# KiCad board BioAmp-EXG-Panel.kicad_pcb (continued)
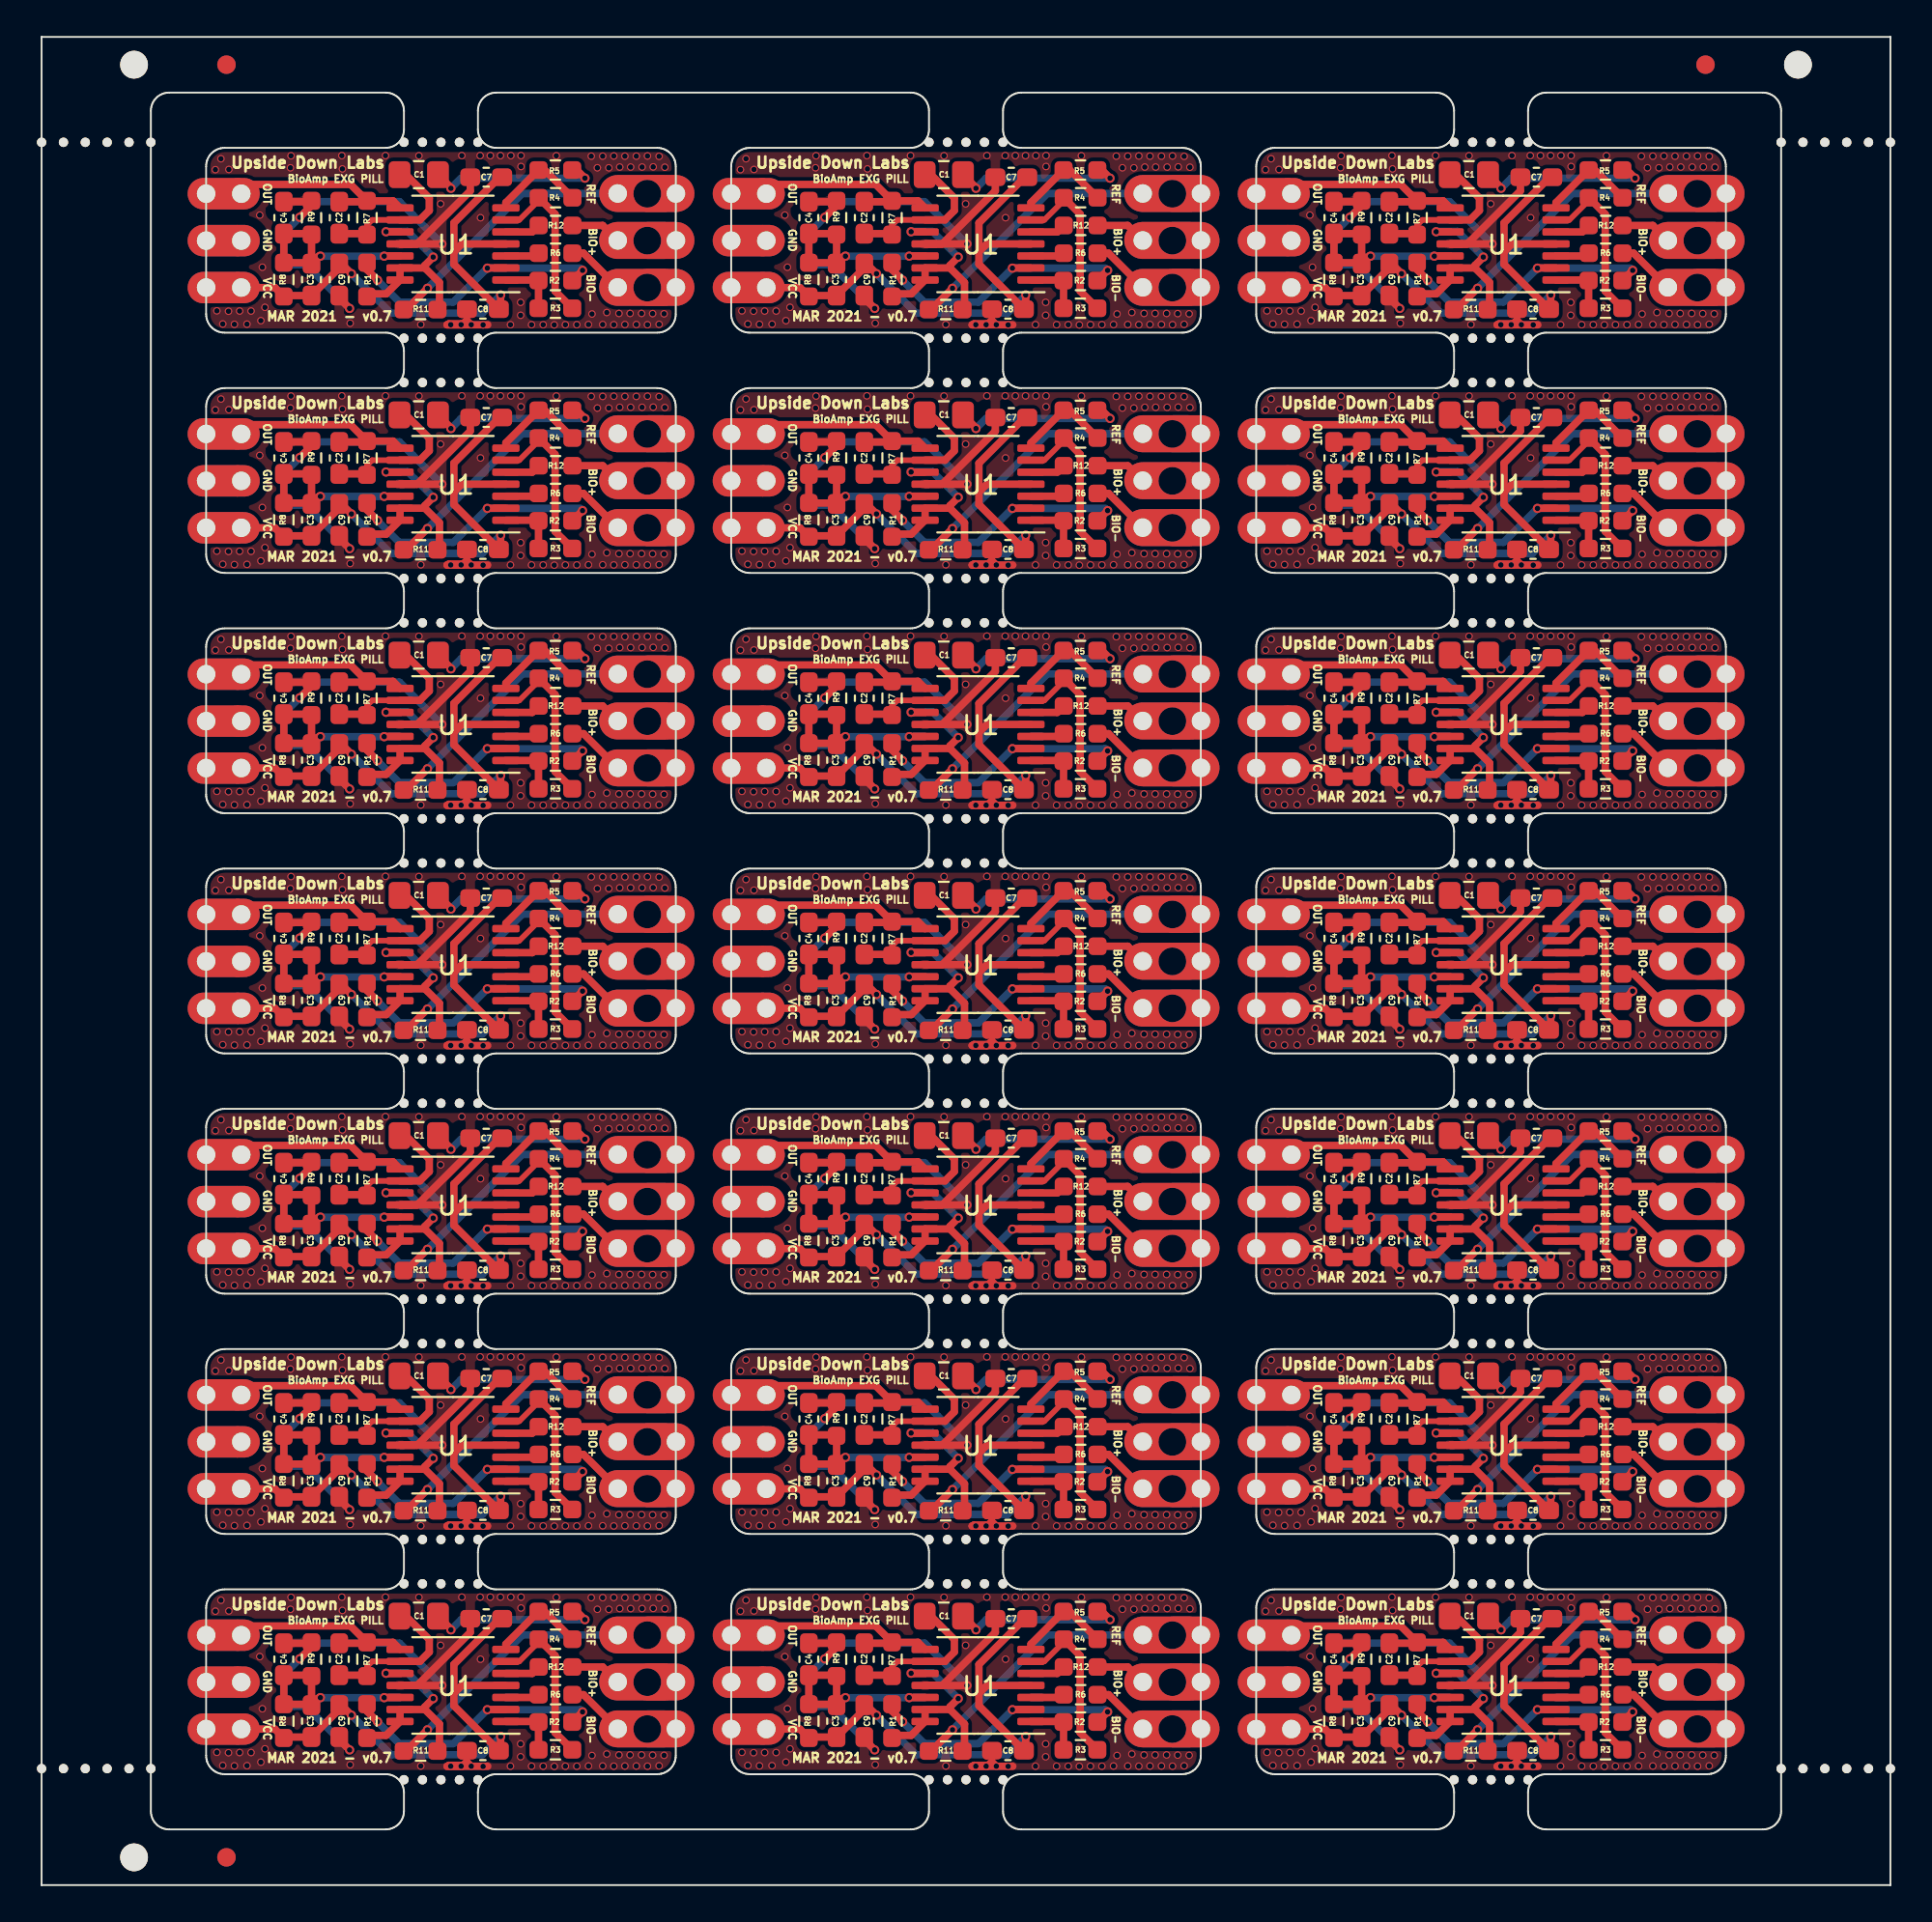
[diagram p0: board, top side]
## Routing (per net, layer and track width the routed paths; a pad name or vN(x,y) marks a point on that pad's centre or on a via; arc(x,y) is an arc through that point) (continued)
Board_7-vRef: length 11.4
  Top w0.4: C3#7.2 R9#7.2 14.55,63.36 C4#7.1 R8#7.1 14.55,61.78 C3#7.2 ; C3#7.2 14.71,61.73 ; C3#7.2 14.69,61.73 ; C3#7.2 15.01,62.14 v2(15.08,62.14) ; v2(18.53,62.14) 18.54,62.15 U1#7.12
  Bottom w0.4: v2(18.53,62.14) v2(15.08,62.14)
Board_8-ampRef: length 11.4
  Top w0.4: R1#8.2 46.14,60.1 47.04,60.1 U1#8.14 U1#8.13 49.13,61.5 ; R11#8.2 49.92,59.36 49.92,60.71 49.13,61.5 ; 49.13,61.5 49.13,61.64 v2(49.58,62.09) ; 47.03,63.48 47.06,63.45 U1#8.10
  Bottom w0.4: v2(49.58,62.09) 48.19,63.48 47.03,63.48
  vias: v2(47.03,63.46)
Board_8-BIO+: length 2.9
  Top w0.4: 57.2,63.8 R12#8.2 58.75,63.8 J1#16.2
  vias: v1(61.16,62.98)
Board_8-BIO-: length 5.3
  Top w0.4: 59.29,60.41 61.1,60.41 ; 57.4,62.3 R6#8.2 57.71,62.3 J1#16.3
  vias: v1(61.16,60.44)
Board_8-DRL: length 14.3
  Top w0.4: 47.99,59.34 R11#8.1 48.12,59.25 v2(49.27,60.4)
  Bottom w0.4: J1#16.1 54.4,65.53 v2(49.27,60.4)
  vias: v1(61.16,65.52)
Board_8-GND: length 35.9
  Top w0.3: 51.13,58.48 51.41,58.76 C8#8.1 51.41,58.72 51.65,58.48
  Top w0.4: C4#8.2 42.95,65.08 R9#8.1 43,64.88 v2(42.36,64.24) ; U1#8.11 48.7,62.8 ; U1#8.11 48.58,62.8 ; U1#8.11 48.71,62.8 51.59,65.67 C7#8.2 ; U1#8.11 v2(50.05,62.8) ; 51.49,59.25 51.34,59.25 ; 51.13,58.99 C8#8.1 51.65,59.03 ; 50.45,58.46 50.43,58.48 51.1,58.48 51.15,58.42 50.33,58.42 52.53,58.42 ; v2(45.06,59.31) 44.5,59.87 C9#8.1
  Bottom w0.4: v2(50.05,62.8) 47.76,65.09 43.21,65.09 v2(42.36,64.24) 41.5,63.38 41.5,62.21 42.04,61.67 42.7,61.67 v2(45.06,59.31)
  vias: v3(37.8,66.82) v3(37.88,59.18) v3(38.1,67.41) v3(38.2,58.47) v3(38.53,66.83) v3(38.51,59.16) v3(38.83,58.45) v3(39.11,59.17) v3(39.51,58.46) v3(39.73,59.17) v3(40.2,64.36) v3(40.34,61.54) v3(40.26,58.65) v3(40.48,59.37) v3(41.89,67.57) v3(41.86,66.92) v3(44.64,67.58) v3(44.67,66.86) v3(45.09,58.51) v3(47,67.58) v3(48.81,67.57) v3(48.91,58.44) v3(49.98,64.97) v3(50.53,58.43) v3(51.13,67.58) v3(51.09,58.43) v3(51.64,58.43) v3(52.12,67.58) v3(52.14,64.22) v3(52.28,58.42) v3(52.67,67.58) v3(53.22,67.58) v3(53.78,67.58) v3(53.76,58.43) v3(54.33,67.58) v3(54.33,66.99) v3(54.31,59.64) v3(54.31,58.94) v3(54.9,58.43) v3(55.53,58.43) v3(56.13,58.42) v3(56.24,67.57) v3(56.73,58.43) v3(57.35,58.43) v3(57.98,58.44) v3(58.13,67.55) v3(58.17,59.01) v3(58.46,66.92) v3(58.75,67.55) v3(58.75,58.44) v3(58.97,59.09) v3(59.08,66.92) v3(59.35,67.56) v3(59.35,58.43) v3(59.63,59.04) v3(59.67,66.96) v3(59.95,67.55) v3(59.95,58.44) v3(60.23,59.04) v3(60.26,66.96) v3(60.57,67.55) v3(60.57,58.44) v3(60.88,66.96) v3(60.85,59.04) v3(61.17,67.56) v3(61.17,58.43) v3(61.48,66.97) v3(61.45,59.03) v3(61.8,67.54) v3(61.8,58.45) v3(62.11,66.95) v3(62.07,59.02)
Board_8-inaOUT: length 5.2
  Top w0.4: R4#8.1 55.61,66.8 R5#8.2 53.51,65.03 U1#8.7
Board_8-Net-(C1-Pad1): length 8.6
  Top w0.3: U1#8.9 46.28,64.1 46,63.82 R7#8.2
  Top w0.4: R7#8.2 45.95,63.36 C2#8.2 ; 47.8,66.55 C1#8.1 48.11,66.55 49.37,65.29 49.37,64.61 48.86,64.1 U1#8.9
Board_8-Net-(C1-Pad2): length 9.4
  Top w0.4: 49.84,66.59 C1#8.2 50.54,65.85 v2(50.54,65.81) ; v2(57.79,66.36) 57.35,66.8 R5#8.1
  Bottom w0.4: v2(50.54,65.81) 51.09,66.36 v2(57.79,66.36)
Board_8-Net-(R1-Pad1): length 15.3
  Top w0.4: v2(52.51,61.49) 52.52,61.5 U1#8.2 ; v2(57.66,61.37) 57.11,60.82 R2#8.2 ; v2(46.57,60.84) 46,61.41 R1#8.1
  Bottom w0.4: v2(57.66,61.37) 57.54,61.49 v2(52.51,61.49) 50.67,59.65 47.75,59.65 46.61,60.79
Board_8-Net-(R2-Pad1): length 3.3
  Top w0.4: R3#8.2 R2#8.1 55.25,60.85 U1#8.1
Board_8-Net-(R3-Pad1): length 9.1
  Top w0.3: U1#8.6 54.24,64.1 55.29,65.15 R4#8.2
  Top w0.4: R3#8.1 56.18,60.25 56.18,64.41 R4#8.2
Board_8-Net-(R6-Pad1): length 1.8
  Top w0.4: R6#8.1 55.14,62.15 U1#8.3
Board_8-Net-(R12-Pad1): length 1.9
  Top w0.4: R12#8.1 54.94,63.45 U1#8.5
Board_8-OUT: length 11.2
  Top w0.4: R7#8.1 45.95,65.08 C2#8.1 ; R7#8.1 45.11,66.02 39.31,66.02 38.81,65.52 ; R7#8.1 47.41,65.13 U1#8.8
Board_8-VCC: length 30.7
  Top w0.4: 38.81,60.44 41.02,60.44 R8#8.2 41.55,60.01 C3#8.1 44.5,61.51 C9#8.2 44.62,61.73 v2(45.16,61.19) ; 53.21,59.25 53.21,59.52 ; 53.21,59.25 53.21,59.26 ; 53.21,59.25 53.21,59.27 ; U1#8.4 51.13,62.8 50.7,62.37 ; 50.7,62.37 50.7,63.94 53.17,66.41 C7#8.1 ; 50.7,62.37 50.7,61.7 C8#8.2 53.23,59.37 v2(53.23,60.04)
  Top w0.5: 39.15,60.24 38.97,60.42
  Bottom w0.4: v2(53.23,60.04) 52.24,59.05 47.3,59.05 v2(45.16,61.19)
Board_8-vRef: length 11.4
  Top w0.4: C3#8.2 R9#8.2 42.95,63.36 C4#8.1 R8#8.1 42.95,61.78 C3#8.2 ; C3#8.2 43.11,61.73 ; C3#8.2 43.09,61.73 ; C3#8.2 43.41,62.14 v2(43.48,62.14) ; v2(46.93,62.14) 46.94,62.15 U1#8.12
  Bottom w0.4: v2(46.93,62.14) v2(43.48,62.14)
Board_9-ampRef: length 11.4
  Top w0.4: R1#9.2 74.54,60.1 75.44,60.1 U1#9.14 U1#9.13 77.53,61.5 ; R11#9.2 78.32,59.36 78.32,60.71 77.53,61.5 ; 77.53,61.5 77.53,61.64 v2(77.98,62.09) ; 75.43,63.48 75.46,63.45 U1#9.10
  Bottom w0.4: v2(77.98,62.09) 76.59,63.48 75.43,63.48
  vias: v2(75.43,63.46)
Board_9-BIO+: length 2.9
  Top w0.4: 85.6,63.8 R12#9.2 87.15,63.8 J1#18.2
  vias: v1(89.56,62.98)
Board_9-BIO-: length 5.3
  Top w0.4: 87.69,60.41 89.5,60.41 ; 85.8,62.3 R6#9.2 86.11,62.3 J1#18.3
  vias: v1(89.56,60.44)
Board_9-DRL: length 14.3
  Top w0.4: 76.39,59.34 R11#9.1 76.52,59.25 v2(77.67,60.4)
  Bottom w0.4: J1#18.1 82.8,65.53 v2(77.67,60.4)
  vias: v1(89.56,65.52)
Board_9-GND: length 35.9
  Top w0.3: 79.53,58.48 79.81,58.76 C8#9.1 79.81,58.72 80.05,58.48
  Top w0.4: C4#9.2 71.35,65.08 R9#9.1 71.4,64.88 v2(70.76,64.24) ; U1#9.11 77.1,62.8 ; U1#9.11 76.98,62.8 ; U1#9.11 77.11,62.8 79.99,65.67 C7#9.2 ; U1#9.11 v2(78.45,62.8) ; 79.89,59.25 79.74,59.25 ; 79.53,58.99 C8#9.1 80.05,59.03 ; 78.85,58.46 78.83,58.48 79.5,58.48 79.56,58.42 78.73,58.42 80.93,58.42 ; v2(73.46,59.31) 72.9,59.87 C9#9.1
  Bottom w0.4: v2(78.45,62.8) 76.16,65.09 71.61,65.09 v2(70.76,64.24) 69.9,63.38 69.9,62.21 70.44,61.67 71.1,61.67 v2(73.46,59.31)
  vias: v3(66.2,66.82) v3(66.28,59.18) v3(66.5,67.41) v3(66.6,58.47) v3(66.93,66.83) v3(66.91,59.16) v3(67.23,58.45) v3(67.51,59.17) v3(67.91,58.46) v3(68.13,59.17) v3(68.6,64.36) v3(68.74,61.54) v3(68.66,58.65) v3(68.88,59.37) v3(70.29,67.57) v3(70.26,66.92) v3(73.04,67.58) v3(73.07,66.86) v3(73.49,58.51) v3(75.4,67.58) v3(77.21,67.57) v3(77.31,58.44) v3(78.38,64.97) v3(78.93,58.43) v3(79.53,67.58) v3(79.49,58.43) v3(80.04,58.43) v3(80.52,67.58) v3(80.54,64.22) v3(80.68,58.42) v3(81.07,67.58) v3(81.62,67.58) v3(82.18,67.58) v3(82.16,58.43) v3(82.73,67.58) v3(82.73,66.99) v3(82.71,59.64) v3(82.71,58.94) v3(83.3,58.43) v3(83.93,58.43) v3(84.53,58.42) v3(84.64,67.57) v3(85.13,58.43) v3(85.75,58.43) v3(86.38,58.44) v3(86.53,67.55) v3(86.57,59.01) v3(86.86,66.92) v3(87.15,67.55) v3(87.15,58.44) v3(87.37,59.09) v3(87.48,66.92) v3(87.75,67.56) v3(87.75,58.43) v3(88.03,59.04) v3(88.07,66.96) v3(88.35,67.55) v3(88.35,58.44) v3(88.63,59.04) v3(88.66,66.96) v3(88.97,67.55) v3(88.97,58.44) v3(89.28,66.96) v3(89.25,59.04) v3(89.57,67.56) v3(89.57,58.43) v3(89.88,66.97) v3(89.85,59.03) v3(90.2,67.54) v3(90.2,58.45) v3(90.51,66.95) v3(90.47,59.02)
Board_9-inaOUT: length 5.2
  Top w0.4: R4#9.1 84.01,66.8 R5#9.2 81.91,65.03 U1#9.7
Board_9-Net-(C1-Pad1): length 8.6
  Top w0.3: U1#9.9 74.68,64.1 74.4,63.82 R7#9.2
  Top w0.4: R7#9.2 74.35,63.36 C2#9.2 ; 76.2,66.55 C1#9.1 76.51,66.55 77.77,65.29 77.77,64.61 77.26,64.1 U1#9.9
Board_9-Net-(C1-Pad2): length 9.4
  Top w0.4: 78.24,66.59 C1#9.2 78.94,65.85 v2(78.94,65.81) ; v2(86.19,66.36) 85.75,66.8 R5#9.1
  Bottom w0.4: v2(78.94,65.81) 79.49,66.36 v2(86.19,66.36)
Board_9-Net-(R1-Pad1): length 15.3
  Top w0.4: v2(80.91,61.49) 80.92,61.5 U1#9.2 ; v2(86.06,61.37) 85.51,60.82 R2#9.2 ; v2(74.97,60.84) 74.4,61.41 R1#9.1
  Bottom w0.4: v2(86.06,61.37) 85.94,61.49 v2(80.91,61.49) 79.07,59.65 76.15,59.65 75.01,60.79
Board_9-Net-(R2-Pad1): length 3.3
  Top w0.4: R3#9.2 R2#9.1 83.65,60.85 U1#9.1
Board_9-Net-(R3-Pad1): length 9.1
  Top w0.3: U1#9.6 82.64,64.1 83.69,65.15 R4#9.2
  Top w0.4: R3#9.1 84.58,60.25 84.58,64.41 R4#9.2
Board_9-Net-(R6-Pad1): length 1.8
  Top w0.4: R6#9.1 83.54,62.15 U1#9.3
Board_9-Net-(R12-Pad1): length 1.9
  Top w0.4: R12#9.1 83.34,63.45 U1#9.5
Board_9-OUT: length 11.2
  Top w0.4: R7#9.1 74.35,65.08 C2#9.1 ; R7#9.1 73.51,66.02 67.71,66.02 67.21,65.52 ; R7#9.1 75.81,65.13 U1#9.8
Board_9-VCC: length 30.7
  Top w0.4: 67.21,60.44 69.42,60.44 R8#9.2 69.95,60.01 C3#9.1 72.9,61.51 C9#9.2 73.02,61.73 v2(73.56,61.19) ; 81.61,59.25 81.61,59.52 ; 81.61,59.25 81.61,59.26 ; 81.61,59.25 81.61,59.27 ; U1#9.4 79.53,62.8 79.1,62.37 ; 79.1,62.37 79.1,63.94 81.57,66.41 C7#9.1 ; 79.1,62.37 79.1,61.7 C8#9.2 81.63,59.37 v2(81.63,60.04)
  Top w0.5: 67.55,60.24 67.37,60.42
  Bottom w0.4: v2(81.63,60.04) 80.64,59.05 75.7,59.05 v2(73.56,61.19)
Board_9-vRef: length 11.4
  Top w0.4: C3#9.2 R9#9.2 71.35,63.36 C4#9.1 R8#9.1 71.35,61.78 C3#9.2 ; C3#9.2 71.51,61.73 ; C3#9.2 71.49,61.73 ; C3#9.2 71.81,62.14 v2(71.88,62.14) ; v2(75.33,62.14) 75.34,62.15 U1#9.12
  Bottom w0.4: v2(75.33,62.14) v2(71.88,62.14)
Board_10-ampRef: length 11.4
  Top w0.4: R1#10.2 17.74,47.1 18.64,47.1 U1#10.14 U1#10.13 20.73,48.5 ; R11#10.2 21.52,46.36 21.52,47.71 20.73,48.5 ; 20.73,48.5 20.73,48.64 v2(21.18,49.09) ; 18.63,50.48 18.66,50.45 U1#10.10
  Bottom w0.4: v2(21.18,49.09) 19.79,50.48 18.63,50.48
  vias: v2(18.63,50.46)
Board_10-BIO+: length 2.9
  Top w0.4: 28.8,50.8 R12#10.2 30.35,50.8 J1#20.2
  vias: v1(32.76,49.98)
Board_10-BIO-: length 5.3
  Top w0.4: 30.89,47.41 32.7,47.41 ; 29,49.3 R6#10.2 29.31,49.3 J1#20.3
  vias: v1(32.76,47.44)
Board_10-DRL: length 14.3
  Top w0.4: 19.59,46.34 R11#10.1 19.72,46.25 v2(20.87,47.4)
  Bottom w0.4: J1#20.1 26,52.53 v2(20.87,47.4)
  vias: v1(32.76,52.52)
Board_10-GND: length 35.9
  Top w0.3: 22.73,45.48 23.01,45.76 C8#10.1 23.01,45.72 23.25,45.48
  Top w0.4: C4#10.2 14.55,52.08 R9#10.1 14.6,51.88 v2(13.96,51.24) ; U1#10.11 20.3,49.8 ; U1#10.11 20.18,49.8 ; U1#10.11 20.31,49.8 23.19,52.67 C7#10.2 ; U1#10.11 v2(21.65,49.8) ; 23.09,46.25 22.94,46.25 ; 22.73,45.99 C8#10.1 23.25,46.03 ; 22.05,45.46 22.03,45.48 22.7,45.48 22.75,45.42 21.93,45.42 24.13,45.42 ; v2(16.66,46.31) 16.1,46.87 C9#10.1
  Bottom w0.4: v2(21.65,49.8) 19.36,52.09 14.81,52.09 v2(13.96,51.24) 13.1,50.38 13.1,49.21 13.64,48.67 14.3,48.67 v2(16.66,46.31)
  vias: v3(9.4,53.82) v3(9.48,46.18) v3(9.7,54.41) v3(9.8,45.47) v3(10.13,53.83) v3(10.11,46.16) v3(10.43,45.45) v3(10.71,46.17) v3(11.11,45.46) v3(11.33,46.17) v3(11.8,51.36) v3(11.94,48.54) v3(11.86,45.65) v3(12.08,46.37) v3(13.49,54.57) v3(13.46,53.92) v3(16.24,54.58) v3(16.27,53.86) v3(16.69,45.51) v3(18.6,54.58) v3(20.41,54.57) v3(20.51,45.44) v3(21.58,51.97) v3(22.13,45.43) v3(22.73,54.58) v3(22.69,45.43) v3(23.24,45.43) v3(23.72,54.58) v3(23.74,51.22) v3(23.88,45.42) v3(24.27,54.58) v3(24.82,54.58) v3(25.38,54.58) v3(25.36,45.43) v3(25.93,54.58) v3(25.93,53.99) v3(25.91,46.64) v3(25.91,45.94) v3(26.5,45.43) v3(27.13,45.43) v3(27.73,45.42) v3(27.84,54.57) v3(28.33,45.43) v3(28.95,45.43) v3(29.58,45.44) v3(29.73,54.55) v3(29.77,46.01) v3(30.06,53.92) v3(30.35,54.55) v3(30.35,45.44) v3(30.57,46.09) v3(30.68,53.92) v3(30.95,54.56) v3(30.95,45.43) v3(31.23,46.04) v3(31.27,53.96) v3(31.55,54.55) v3(31.55,45.44) v3(31.83,46.04) v3(31.86,53.96) v3(32.17,54.55) v3(32.17,45.44) v3(32.48,53.96) v3(32.45,46.04) v3(32.77,54.56) v3(32.77,45.43) v3(33.08,53.97) v3(33.05,46.03) v3(33.4,54.54) v3(33.4,45.45) v3(33.71,53.95) v3(33.67,46.02)
Board_10-inaOUT: length 5.2
  Top w0.4: R4#10.1 27.21,53.8 R5#10.2 25.11,52.03 U1#10.7
Board_10-Net-(C1-Pad1): length 8.6
  Top w0.3: U1#10.9 17.88,51.1 17.6,50.82 R7#10.2
  Top w0.4: R7#10.2 17.55,50.36 C2#10.2 ; 19.4,53.55 C1#10.1 19.71,53.55 20.97,52.29 20.97,51.61 20.46,51.1 U1#10.9
Board_10-Net-(C1-Pad2): length 9.4
  Top w0.4: 21.44,53.59 C1#10.2 22.14,52.85 v2(22.14,52.81) ; v2(29.39,53.36) 28.95,53.8 R5#10.1
  Bottom w0.4: v2(22.14,52.81) 22.69,53.36 v2(29.39,53.36)
Board_10-Net-(R1-Pad1): length 15.3
  Top w0.4: v2(24.11,48.49) 24.12,48.5 U1#10.2 ; v2(29.26,48.37) 28.71,47.82 R2#10.2 ; v2(18.17,47.84) 17.6,48.41 R1#10.1
  Bottom w0.4: v2(29.26,48.37) 29.14,48.49 v2(24.11,48.49) 22.27,46.65 19.35,46.65 18.21,47.79
Board_10-Net-(R2-Pad1): length 3.3
  Top w0.4: R3#10.2 R2#10.1 26.85,47.85 U1#10.1
Board_10-Net-(R3-Pad1): length 9.1
  Top w0.3: U1#10.6 25.84,51.1 26.89,52.15 R4#10.2
  Top w0.4: R3#10.1 27.78,47.25 27.78,51.41 R4#10.2
Board_10-Net-(R6-Pad1): length 1.8
  Top w0.4: R6#10.1 26.74,49.15 U1#10.3
Board_10-Net-(R12-Pad1): length 1.9
  Top w0.4: R12#10.1 26.54,50.45 U1#10.5
Board_10-OUT: length 11.2
  Top w0.4: R7#10.1 17.55,52.08 C2#10.1 ; R7#10.1 16.71,53.02 10.91,53.02 10.41,52.52 ; R7#10.1 19.01,52.13 U1#10.8
Board_10-VCC: length 30.7
  Top w0.4: 10.41,47.44 12.62,47.44 R8#10.2 13.15,47.01 C3#10.1 16.1,48.51 C9#10.2 16.22,48.73 v2(16.76,48.19) ; 24.81,46.25 24.81,46.52 ; 24.81,46.25 24.81,46.26 ; 24.81,46.25 24.81,46.27 ; U1#10.4 22.73,49.8 22.3,49.37 ; 22.3,49.37 22.3,50.94 24.77,53.41 C7#10.1 ; 22.3,49.37 22.3,48.7 C8#10.2 24.83,46.37 v2(24.83,47.04)
  Top w0.5: 10.75,47.24 10.57,47.42
  Bottom w0.4: v2(24.83,47.04) 23.84,46.05 18.9,46.05 v2(16.76,48.19)
Board_10-vRef: length 11.4
  Top w0.4: C3#10.2 R9#10.2 14.55,50.36 C4#10.1 R8#10.1 14.55,48.78 C3#10.2 ; C3#10.2 14.71,48.73 ; C3#10.2 14.69,48.73 ; C3#10.2 15.01,49.14 v2(15.08,49.14) ; v2(18.53,49.14) 18.54,49.15 U1#10.12
  Bottom w0.4: v2(18.53,49.14) v2(15.08,49.14)
Board_11-ampRef: length 11.4
  Top w0.4: R1#11.2 46.14,47.1 47.04,47.1 U1#11.14 U1#11.13 49.13,48.5 ; R11#11.2 49.92,46.36 49.92,47.71 49.13,48.5 ; 49.13,48.5 49.13,48.64 v2(49.58,49.09) ; 47.03,50.48 47.06,50.45 U1#11.10
  Bottom w0.4: v2(49.58,49.09) 48.19,50.48 47.03,50.48
  vias: v2(47.03,50.46)
Board_11-BIO+: length 2.9
  Top w0.4: 57.2,50.8 R12#11.2 58.75,50.8 J1#22.2
  vias: v1(61.16,49.98)
Board_11-BIO-: length 5.3
  Top w0.4: 59.29,47.41 61.1,47.41 ; 57.4,49.3 R6#11.2 57.71,49.3 J1#22.3
  vias: v1(61.16,47.44)
Board_11-DRL: length 14.3
  Top w0.4: 47.99,46.34 R11#11.1 48.12,46.25 v2(49.27,47.4)
  Bottom w0.4: J1#22.1 54.4,52.53 v2(49.27,47.4)
  vias: v1(61.16,52.52)
Board_11-GND: length 35.9
  Top w0.3: 51.13,45.48 51.41,45.76 C8#11.1 51.41,45.72 51.65,45.48
  Top w0.4: C4#11.2 42.95,52.08 R9#11.1 43,51.88 v2(42.36,51.24) ; U1#11.11 48.7,49.8 ; U1#11.11 48.58,49.8 ; U1#11.11 48.71,49.8 51.59,52.67 C7#11.2 ; U1#11.11 v2(50.05,49.8) ; 51.49,46.25 51.34,46.25 ; 51.13,45.99 C8#11.1 51.65,46.03 ; 50.45,45.46 50.43,45.48 51.1,45.48 51.15,45.42 50.33,45.42 52.53,45.42 ; v2(45.06,46.31) 44.5,46.87 C9#11.1
  Bottom w0.4: v2(50.05,49.8) 47.76,52.09 43.21,52.09 v2(42.36,51.24) 41.5,50.38 41.5,49.21 42.04,48.67 42.7,48.67 v2(45.06,46.31)
  vias: v3(37.8,53.82) v3(37.88,46.18) v3(38.1,54.41) v3(38.2,45.47) v3(38.53,53.83) v3(38.51,46.16) v3(38.83,45.45) v3(39.11,46.17) v3(39.51,45.46) v3(39.73,46.17) v3(40.2,51.36) v3(40.34,48.54) v3(40.26,45.65) v3(40.48,46.37) v3(41.89,54.57) v3(41.86,53.92) v3(44.64,54.58) v3(44.67,53.86) v3(45.09,45.51) v3(47,54.58) v3(48.81,54.57) v3(48.91,45.44) v3(49.98,51.97) v3(50.53,45.43) v3(51.13,54.58) v3(51.09,45.43) v3(51.64,45.43) v3(52.12,54.58) v3(52.14,51.22) v3(52.28,45.42) v3(52.67,54.58) v3(53.22,54.58) v3(53.78,54.58) v3(53.76,45.43) v3(54.33,54.58) v3(54.33,53.99) v3(54.31,46.64) v3(54.31,45.94) v3(54.9,45.43) v3(55.53,45.43) v3(56.13,45.42) v3(56.24,54.57) v3(56.73,45.43) v3(57.35,45.43) v3(57.98,45.44) v3(58.13,54.55) v3(58.17,46.01) v3(58.46,53.92) v3(58.75,54.55) v3(58.75,45.44) v3(58.97,46.09) v3(59.08,53.92) v3(59.35,54.56) v3(59.35,45.43) v3(59.63,46.04) v3(59.67,53.96) v3(59.95,54.55) v3(59.95,45.44) v3(60.23,46.04) v3(60.26,53.96) v3(60.57,54.55) v3(60.57,45.44) v3(60.88,53.96) v3(60.85,46.04) v3(61.17,54.56) v3(61.17,45.43) v3(61.48,53.97) v3(61.45,46.03) v3(61.8,54.54) v3(61.8,45.45) v3(62.11,53.95) v3(62.07,46.02)
Board_11-inaOUT: length 5.2
  Top w0.4: R4#11.1 55.61,53.8 R5#11.2 53.51,52.03 U1#11.7
Board_11-Net-(C1-Pad1): length 8.6
  Top w0.3: U1#11.9 46.28,51.1 46,50.82 R7#11.2
  Top w0.4: R7#11.2 45.95,50.36 C2#11.2 ; 47.8,53.55 C1#11.1 48.11,53.55 49.37,52.29 49.37,51.61 48.86,51.1 U1#11.9
Board_11-Net-(C1-Pad2): length 9.4
  Top w0.4: 49.84,53.59 C1#11.2 50.54,52.85 v2(50.54,52.81) ; v2(57.79,53.36) 57.35,53.8 R5#11.1
  Bottom w0.4: v2(50.54,52.81) 51.09,53.36 v2(57.79,53.36)
Board_11-Net-(R1-Pad1): length 15.3
  Top w0.4: v2(52.51,48.49) 52.52,48.5 U1#11.2 ; v2(57.66,48.37) 57.11,47.82 R2#11.2 ; v2(46.57,47.84) 46,48.41 R1#11.1
  Bottom w0.4: v2(57.66,48.37) 57.54,48.49 v2(52.51,48.49) 50.67,46.65 47.75,46.65 46.61,47.79
Board_11-Net-(R2-Pad1): length 3.3
  Top w0.4: R3#11.2 R2#11.1 55.25,47.85 U1#11.1
Board_11-Net-(R3-Pad1): length 9.1
  Top w0.3: U1#11.6 54.24,51.1 55.29,52.15 R4#11.2
  Top w0.4: R3#11.1 56.18,47.25 56.18,51.41 R4#11.2
Board_11-Net-(R6-Pad1): length 1.8
  Top w0.4: R6#11.1 55.14,49.15 U1#11.3
Board_11-Net-(R12-Pad1): length 1.9
  Top w0.4: R12#11.1 54.94,50.45 U1#11.5
Board_11-OUT: length 11.2
  Top w0.4: R7#11.1 45.95,52.08 C2#11.1 ; R7#11.1 45.11,53.02 39.31,53.02 38.81,52.52 ; R7#11.1 47.41,52.13 U1#11.8
Board_11-VCC: length 30.7
  Top w0.4: 38.81,47.44 41.02,47.44 R8#11.2 41.55,47.01 C3#11.1 44.5,48.51 C9#11.2 44.62,48.73 v2(45.16,48.19) ; 53.21,46.25 53.21,46.52 ; 53.21,46.25 53.21,46.26 ; 53.21,46.25 53.21,46.27 ; U1#11.4 51.13,49.8 50.7,49.37 ; 50.7,49.37 50.7,50.94 53.17,53.41 C7#11.1 ; 50.7,49.37 50.7,48.7 C8#11.2 53.23,46.37 v2(53.23,47.04)
  Top w0.5: 39.15,47.24 38.97,47.42
  Bottom w0.4: v2(53.23,47.04) 52.24,46.05 47.3,46.05 v2(45.16,48.19)
Board_11-vRef: length 11.4
  Top w0.4: C3#11.2 R9#11.2 42.95,50.36 C4#11.1 R8#11.1 42.95,48.78 C3#11.2 ; C3#11.2 43.11,48.73 ; C3#11.2 43.09,48.73 ; C3#11.2 43.41,49.14 v2(43.48,49.14) ; v2(46.93,49.14) 46.94,49.15 U1#11.12
  Bottom w0.4: v2(46.93,49.14) v2(43.48,49.14)
Board_12-ampRef: length 11.4
  Top w0.4: R1#12.2 74.54,47.1 75.44,47.1 U1#12.14 U1#12.13 77.53,48.5 ; R11#12.2 78.32,46.36 78.32,47.71 77.53,48.5 ; 77.53,48.5 77.53,48.64 v2(77.98,49.09) ; 75.43,50.48 75.46,50.45 U1#12.10
  Bottom w0.4: v2(77.98,49.09) 76.59,50.48 75.43,50.48
  vias: v2(75.43,50.46)
Board_12-BIO+: length 2.9
  Top w0.4: 85.6,50.8 R12#12.2 87.15,50.8 J1#24.2
  vias: v1(89.56,49.98)
Board_12-BIO-: length 5.3
  Top w0.4: 87.69,47.41 89.5,47.41 ; 85.8,49.3 R6#12.2 86.11,49.3 J1#24.3
  vias: v1(89.56,47.44)
Board_12-DRL: length 14.3
  Top w0.4: 76.39,46.34 R11#12.1 76.52,46.25 v2(77.67,47.4)
  Bottom w0.4: J1#24.1 82.8,52.53 v2(77.67,47.4)
  vias: v1(89.56,52.52)
Board_12-GND: length 35.9
  Top w0.3: 79.53,45.48 79.81,45.76 C8#12.1 79.81,45.72 80.05,45.48
  Top w0.4: C4#12.2 71.35,52.08 R9#12.1 71.4,51.88 v2(70.76,51.24) ; U1#12.11 77.1,49.8 ; U1#12.11 76.98,49.8 ; U1#12.11 77.11,49.8 79.99,52.67 C7#12.2 ; U1#12.11 v2(78.45,49.8) ; 79.89,46.25 79.74,46.25 ; 79.53,45.99 C8#12.1 80.05,46.03 ; 78.85,45.46 78.83,45.48 79.5,45.48 79.56,45.42 78.73,45.42 80.93,45.42 ; v2(73.46,46.31) 72.9,46.87 C9#12.1
  Bottom w0.4: v2(78.45,49.8) 76.16,52.09 71.61,52.09 v2(70.76,51.24) 69.9,50.38 69.9,49.21 70.44,48.67 71.1,48.67 v2(73.46,46.31)
  vias: v3(66.2,53.82) v3(66.28,46.18) v3(66.5,54.41) v3(66.6,45.47) v3(66.93,53.83) v3(66.91,46.16) v3(67.23,45.45) v3(67.51,46.17) v3(67.91,45.46) v3(68.13,46.17) v3(68.6,51.36) v3(68.74,48.54) v3(68.66,45.65) v3(68.88,46.37) v3(70.29,54.57) v3(70.26,53.92) v3(73.04,54.58) v3(73.07,53.86) v3(73.49,45.51) v3(75.4,54.58) v3(77.21,54.57) v3(77.31,45.44) v3(78.38,51.97) v3(78.93,45.43) v3(79.53,54.58) v3(79.49,45.43) v3(80.04,45.43) v3(80.52,54.58) v3(80.54,51.22) v3(80.68,45.42) v3(81.07,54.58) v3(81.62,54.58) v3(82.18,54.58) v3(82.16,45.43) v3(82.73,54.58) v3(82.73,53.99) v3(82.71,46.64) v3(82.71,45.94) v3(83.3,45.43) v3(83.93,45.43) v3(84.53,45.42) v3(84.64,54.57) v3(85.13,45.43) v3(85.75,45.43) v3(86.38,45.44) v3(86.53,54.55) v3(86.57,46.01) v3(86.86,53.92) v3(87.15,54.55) v3(87.15,45.44) v3(87.37,46.09) v3(87.48,53.92) v3(87.75,54.56) v3(87.75,45.43) v3(88.03,46.04) v3(88.07,53.96) v3(88.35,54.55) v3(88.35,45.44) v3(88.63,46.04) v3(88.66,53.96) v3(88.97,54.55) v3(88.97,45.44) v3(89.28,53.96) v3(89.25,46.04) v3(89.57,54.56) v3(89.57,45.43) v3(89.88,53.97) v3(89.85,46.03) v3(90.2,54.54) v3(90.2,45.45) v3(90.51,53.95) v3(90.47,46.02)
Board_12-inaOUT: length 5.2
  Top w0.4: R4#12.1 84.01,53.8 R5#12.2 81.91,52.03 U1#12.7
Board_12-Net-(C1-Pad1): length 8.6
  Top w0.3: U1#12.9 74.68,51.1 74.4,50.82 R7#12.2
  Top w0.4: R7#12.2 74.35,50.36 C2#12.2 ; 76.2,53.55 C1#12.1 76.51,53.55 77.77,52.29 77.77,51.61 77.26,51.1 U1#12.9
Board_12-Net-(C1-Pad2): length 9.4
  Top w0.4: 78.24,53.59 C1#12.2 78.94,52.85 v2(78.94,52.81) ; v2(86.19,53.36) 85.75,53.8 R5#12.1
  Bottom w0.4: v2(78.94,52.81) 79.49,53.36 v2(86.19,53.36)
Board_12-Net-(R1-Pad1): length 15.3
  Top w0.4: v2(80.91,48.49) 80.92,48.5 U1#12.2 ; v2(86.06,48.37) 85.51,47.82 R2#12.2 ; v2(74.97,47.84) 74.4,48.41 R1#12.1
  Bottom w0.4: v2(86.06,48.37) 85.94,48.49 v2(80.91,48.49) 79.07,46.65 76.15,46.65 75.01,47.79
Board_12-Net-(R2-Pad1): length 3.3
  Top w0.4: R3#12.2 R2#12.1 83.65,47.85 U1#12.1
Board_12-Net-(R3-Pad1): length 9.1
  Top w0.3: U1#12.6 82.64,51.1 83.69,52.15 R4#12.2
  Top w0.4: R3#12.1 84.58,47.25 84.58,51.41 R4#12.2
Board_12-Net-(R6-Pad1): length 1.8
  Top w0.4: R6#12.1 83.54,49.15 U1#12.3
Board_12-Net-(R12-Pad1): length 1.9
  Top w0.4: R12#12.1 83.34,50.45 U1#12.5
Board_12-OUT: length 11.2
  Top w0.4: R7#12.1 74.35,52.08 C2#12.1 ; R7#12.1 73.51,53.02 67.71,53.02 67.21,52.52 ; R7#12.1 75.81,52.13 U1#12.8
Board_12-VCC: length 30.7
  Top w0.4: 67.21,47.44 69.42,47.44 R8#12.2 69.95,47.01 C3#12.1 72.9,48.51 C9#12.2 73.02,48.73 v2(73.56,48.19) ; 81.61,46.25 81.61,46.52 ; 81.61,46.25 81.61,46.26 ; 81.61,46.25 81.61,46.27 ; U1#12.4 79.53,49.8 79.1,49.37 ; 79.1,49.37 79.1,50.94 81.57,53.41 C7#12.1 ; 79.1,49.37 79.1,48.7 C8#12.2 81.63,46.37 v2(81.63,47.04)
  Top w0.5: 67.55,47.24 67.37,47.42
  Bottom w0.4: v2(81.63,47.04) 80.64,46.05 75.7,46.05 v2(73.56,48.19)
Board_12-vRef: length 11.4
  Top w0.4: C3#12.2 R9#12.2 71.35,50.36 C4#12.1 R8#12.1 71.35,48.78 C3#12.2 ; C3#12.2 71.51,48.73 ; C3#12.2 71.49,48.73 ; C3#12.2 71.81,49.14 v2(71.88,49.14) ; v2(75.33,49.14) 75.34,49.15 U1#12.12
  Bottom w0.4: v2(75.33,49.14) v2(71.88,49.14)
Board_13-ampRef: length 11.4
  Top w0.4: R1#13.2 17.74,34.1 18.64,34.1 U1#13.14 U1#13.13 20.73,35.5 ; R11#13.2 21.52,33.36 21.52,34.71 20.73,35.5 ; 20.73,35.5 20.73,35.64 v2(21.18,36.09) ; 18.63,37.48 18.66,37.45 U1#13.10
  Bottom w0.4: v2(21.18,36.09) 19.79,37.48 18.63,37.48
  vias: v2(18.63,37.46)
Board_13-BIO+: length 2.9
  Top w0.4: 28.8,37.8 R12#13.2 30.35,37.8 J1#26.2
  vias: v1(32.76,36.98)
Board_13-BIO-: length 5.3
  Top w0.4: 30.89,34.41 32.7,34.41 ; 29,36.3 R6#13.2 29.31,36.3 J1#26.3
  vias: v1(32.76,34.44)
Board_13-DRL: length 14.3
  Top w0.4: 19.59,33.34 R11#13.1 19.72,33.25 v2(20.87,34.4)
  Bottom w0.4: J1#26.1 26,39.53 v2(20.87,34.4)
  vias: v1(32.76,39.52)
Board_13-GND: length 35.9
  Top w0.3: 22.73,32.48 23.01,32.76 C8#13.1 23.01,32.72 23.25,32.48
  Top w0.4: C4#13.2 14.55,39.08 R9#13.1 14.6,38.88 v2(13.96,38.24) ; U1#13.11 20.3,36.8 ; U1#13.11 20.18,36.8 ; U1#13.11 20.31,36.8 23.19,39.67 C7#13.2 ; U1#13.11 v2(21.65,36.8) ; 23.09,33.25 22.94,33.25 ; 22.73,32.99 C8#13.1 23.25,33.03 ; 22.05,32.46 22.03,32.48 22.7,32.48 22.75,32.42 21.93,32.42 24.13,32.42 ; v2(16.66,33.31) 16.1,33.87 C9#13.1
  Bottom w0.4: v2(21.65,36.8) 19.36,39.09 14.81,39.09 v2(13.96,38.24) 13.1,37.38 13.1,36.21 13.64,35.67 14.3,35.67 v2(16.66,33.31)
  vias: v3(9.4,40.82) v3(9.48,33.18) v3(9.7,41.41) v3(9.8,32.47) v3(10.13,40.83) v3(10.11,33.16) v3(10.43,32.45) v3(10.71,33.17) v3(11.11,32.46) v3(11.33,33.17) v3(11.8,38.36) v3(11.94,35.54) v3(11.86,32.65) v3(12.08,33.37) v3(13.49,41.57) v3(13.46,40.92) v3(16.24,41.58) v3(16.27,40.86) v3(16.69,32.51) v3(18.6,41.58) v3(20.41,41.57) v3(20.51,32.44) v3(21.58,38.97) v3(22.13,32.43) v3(22.73,41.58) v3(22.69,32.43) v3(23.24,32.43) v3(23.72,41.58) v3(23.74,38.22) v3(23.88,32.42) v3(24.27,41.58) v3(24.82,41.58) v3(25.38,41.58) v3(25.36,32.43) v3(25.93,41.58) v3(25.93,40.99) v3(25.91,33.64) v3(25.91,32.94) v3(26.5,32.43) v3(27.13,32.43) v3(27.73,32.42) v3(27.84,41.57) v3(28.33,32.43) v3(28.95,32.43) v3(29.58,32.44) v3(29.73,41.55) v3(29.77,33.01) v3(30.06,40.92) v3(30.35,41.55) v3(30.35,32.44) v3(30.57,33.09) v3(30.68,40.92) v3(30.95,41.56) v3(30.95,32.43) v3(31.23,33.04) v3(31.27,40.96) v3(31.55,41.55) v3(31.55,32.44) v3(31.83,33.04) v3(31.86,40.96) v3(32.17,41.55) v3(32.17,32.44) v3(32.48,40.96) v3(32.45,33.04) v3(32.77,41.56) v3(32.77,32.43) v3(33.08,40.97) v3(33.05,33.03) v3(33.4,41.54) v3(33.4,32.45) v3(33.71,40.95) v3(33.67,33.02)
Board_13-inaOUT: length 5.2
  Top w0.4: R4#13.1 27.21,40.8 R5#13.2 25.11,39.03 U1#13.7
Board_13-Net-(C1-Pad1): length 8.6
  Top w0.3: U1#13.9 17.88,38.1 17.6,37.82 R7#13.2
  Top w0.4: R7#13.2 17.55,37.36 C2#13.2 ; 19.4,40.55 C1#13.1 19.71,40.55 20.97,39.29 20.97,38.61 20.46,38.1 U1#13.9
Board_13-Net-(C1-Pad2): length 9.4
  Top w0.4: 21.44,40.59 C1#13.2 22.14,39.85 v2(22.14,39.81) ; v2(29.39,40.36) 28.95,40.8 R5#13.1
  Bottom w0.4: v2(22.14,39.81) 22.69,40.36 v2(29.39,40.36)
Board_13-Net-(R1-Pad1): length 15.3
  Top w0.4: v2(24.11,35.49) 24.12,35.5 U1#13.2 ; v2(29.26,35.37) 28.71,34.82 R2#13.2 ; v2(18.17,34.84) 17.6,35.41 R1#13.1
  Bottom w0.4: v2(29.26,35.37) 29.14,35.49 v2(24.11,35.49) 22.27,33.65 19.35,33.65 18.21,34.79
Board_13-Net-(R2-Pad1): length 3.3
  Top w0.4: R3#13.2 R2#13.1 26.85,34.85 U1#13.1